# KiCad board 3ric.kicad_pcb (continued)
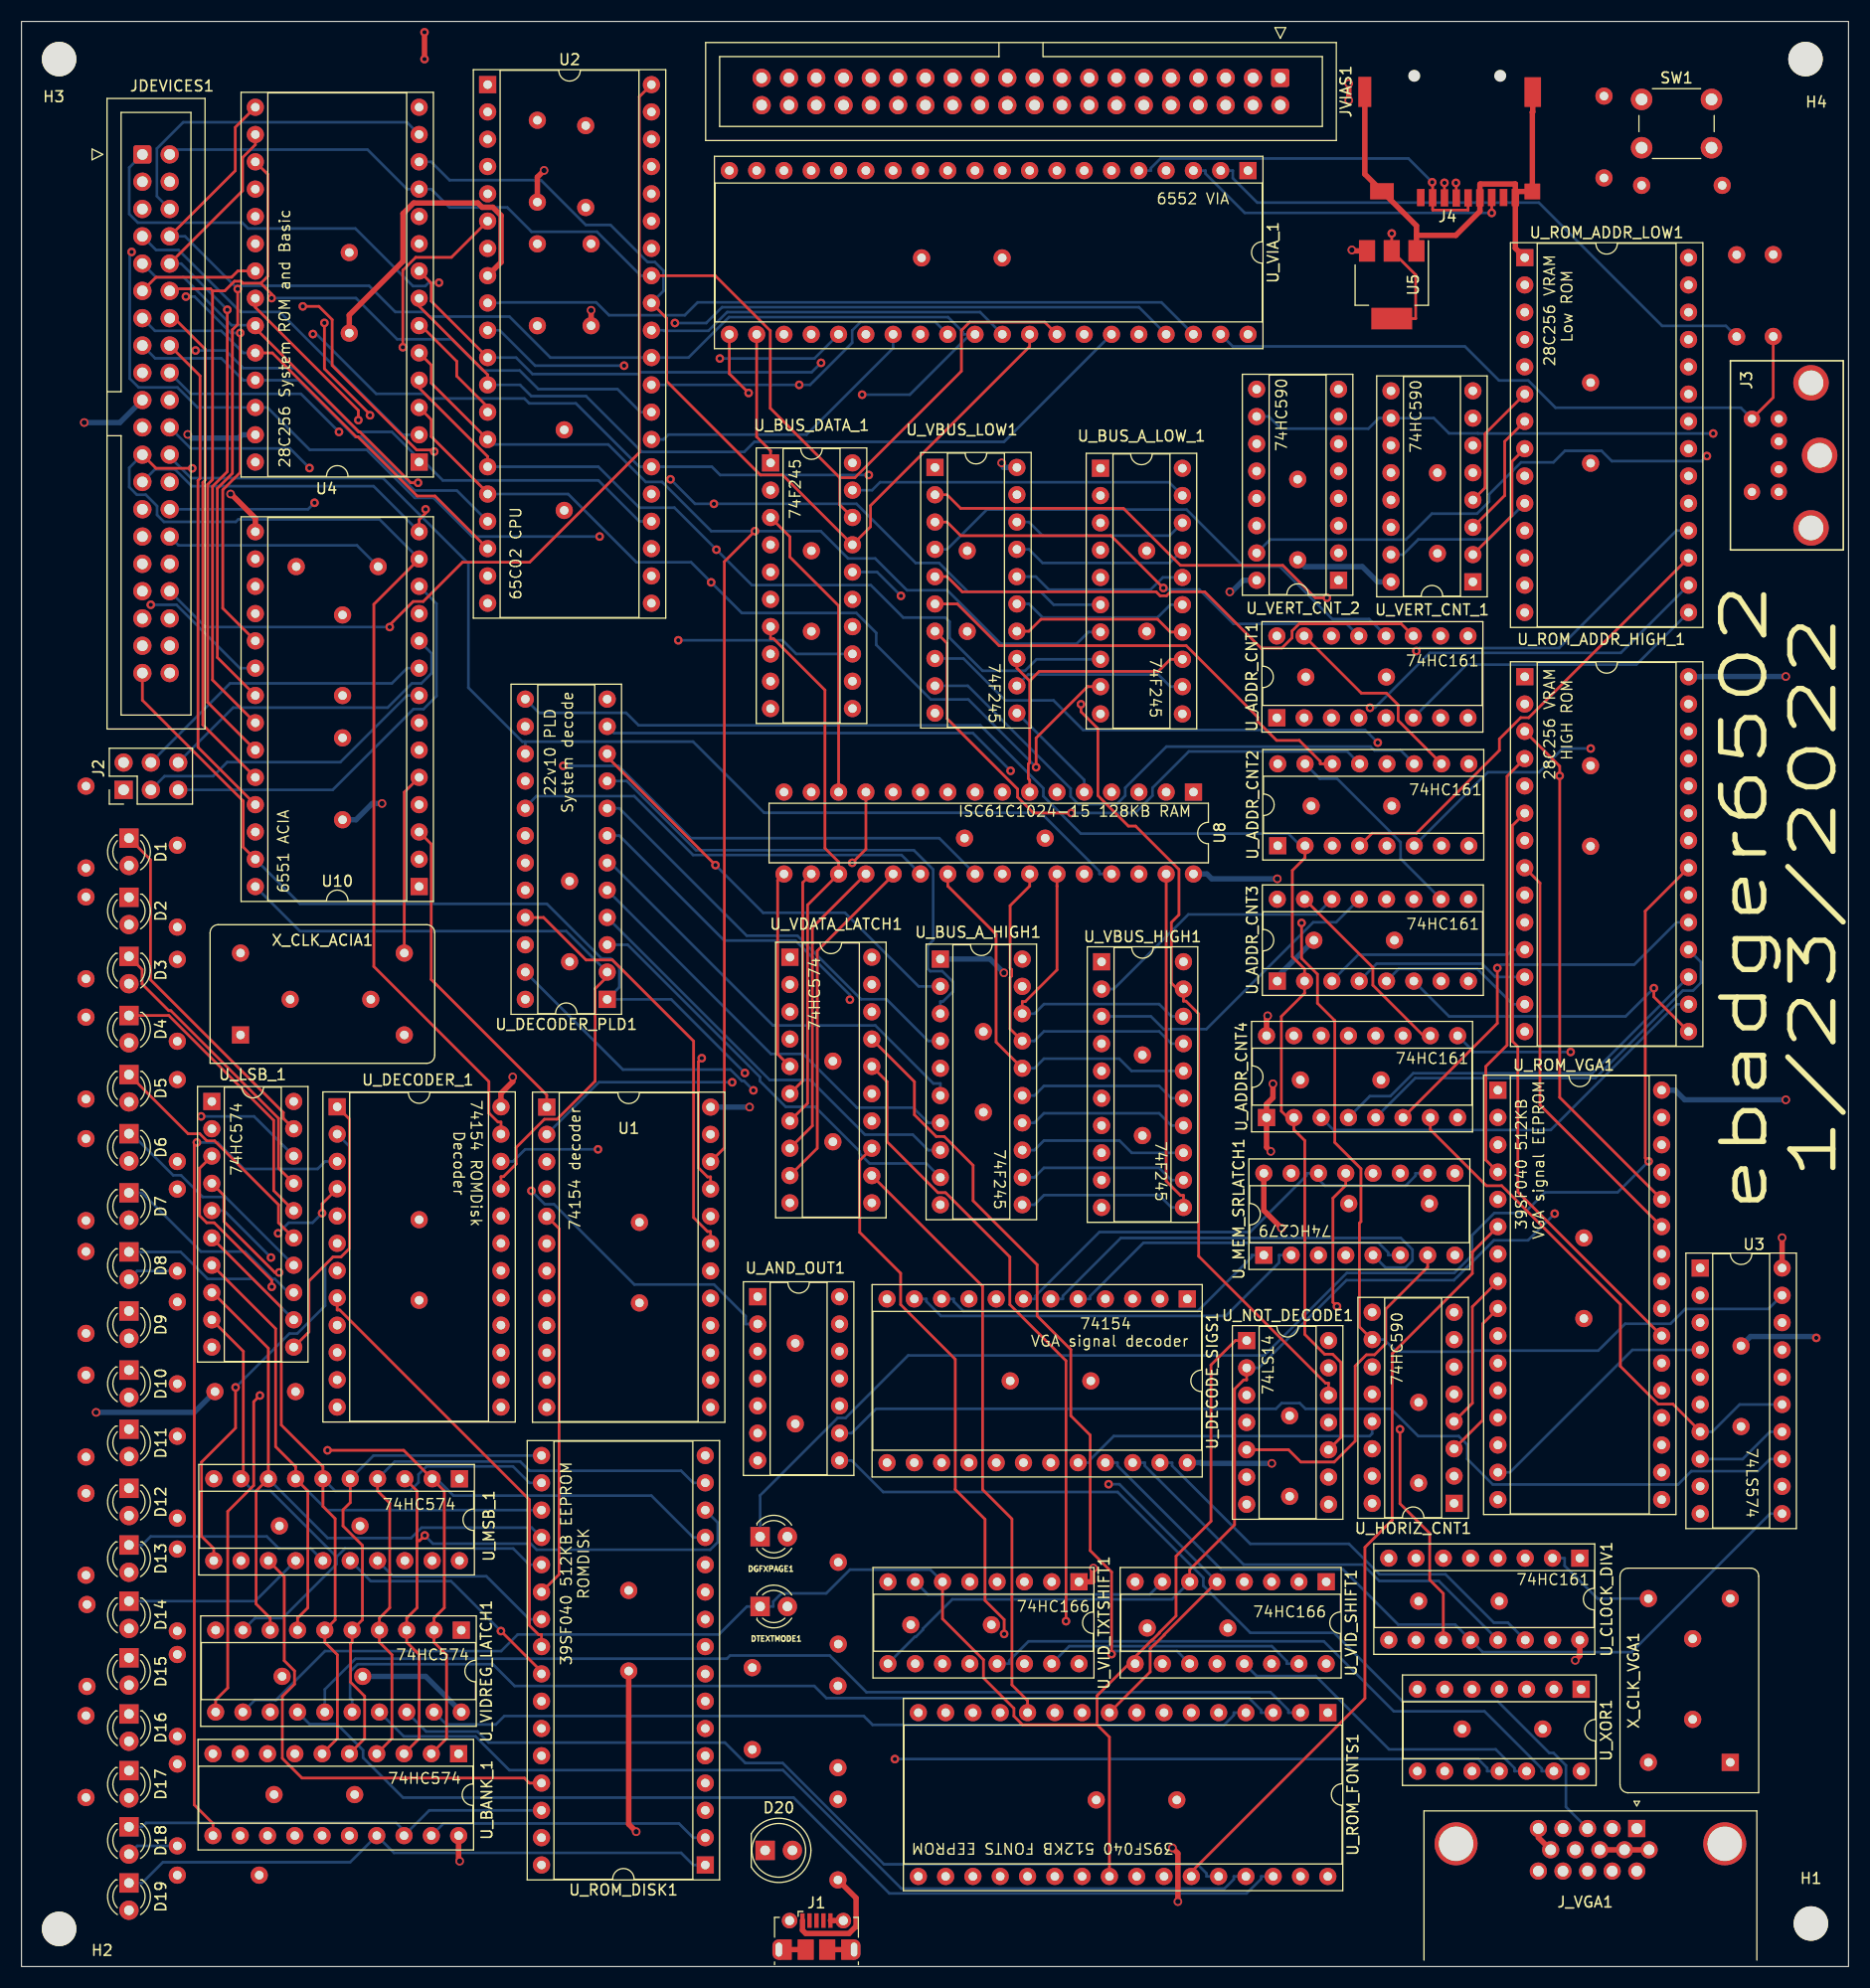
[diagram p0: board, top side]
## Routing (per net, layer and track width the routed paths; a pad name or vN(x,y) marks a point on that pad's centre or on a via; arc(x,y) is an arc through that point) (continued)
CA14: length 153.1
  In1.Cu w0.25: JDEVICES1.3 12.52,164.82 14.19,164.82 14.97,164.05 14.97,157.98 14.18,157.2 13.31,157.2 12.55,156.44 12.55,150.38 13.26,149.67 15.48,149.67 v2(16.19,150.38) ; U2.24 60.2,132.9 60.2,124.73 59.94,124.47 59.94,103.06 U_DECODER_PLD1.4
  Bottom w0.25: U_DECODER_PLD1.4 69.62,82.5 73.4,82.5 78.48,77.42 82.93,77.42 84.37,75.97 U_BUS_A_HIGH1.8 ; U4.1 37.27,140 ; 37.27,140 37.5,140 39.2,138.3 53.68,138.3 57.49,134.49 U2.24 ; 37.27,140 34.47,142.81 31.32,142.81 25.38,148.75 20.63,148.75 19,150.38 v2(16.19,150.38)
CA15: length 159.4
  In1.Cu w0.25: U_DECODER_PLD1.3 60.39,100.97 60.39,124.29 60.66,124.56 60.66,134.13 58.95,135.84 58.95,136.69 U2.25 60.13,137.03 61.11,138.01 61.11,138.75 58.89,140.98 50.93,140.98 46.98,144.93 46.98,147.78 43.76,151 43.02,151 38.74,155.27 38.74,156.59 v2(38.85,156.69)
  Bottom w0.25: JDEVICES1.1 10.03,167.41 10.03,163.08 10.83,162.28 20.54,162.28 21.09,161.73 31.07,161.73 36.42,156.38 37.58,156.38 37.89,156.69 v2(38.85,156.69) ; U_DECODER_PLD1.3 56.4,95.08 68.71,82.77 68.71,82.4 71.11,80 73.84,80 77.99,75.85 77.99,75.65 78.91,74.73 84.2,74.73 U_BUS_A_HIGH1.9
CD0: length 330.8
  Top w0.25: U_BUS_DATA_1.18 76.14,136.03 76.14,138.55 ; U_BANK_1.2 39.55,21.21 39.55,29.01 38.38,30.17 U_VIDREG_LATCH1.2 38.38,32.43 39.34,33.38 39.34,44.25 38.77,44.83 38.21,44.83 U_MSB_1.2 35.56,48.04 v2(28.48,48.04) ; 76.14,138.55 77.54,138.55 87.45,148.46 87.45,152.25 88.23,153.03 95.2,153.03 U_VIA_1.33 ; 76.14,138.55 69.67,145.01 69.67,152.22 64.55,157.34 U2.33
  In1.Cu w0.25: 17.39,121.64 17.39,85.03 18.89,83.53 18.89,79.14 U_LSB_1.2 15.9,77.96 13.33,75.39 13.33,70.19 16.58,66.93 16.58,59.66 17.34,58.91 18.09,58.91 21.12,55.88 21.12,53.17 21.91,52.37 24.14,52.37 v2(28.48,48.04) ; 17.39,121.64 10.78,121.64 9.07,123.35 9.07,168.54 10.35,169.81 12.6,169.81 JDEVICES1.2 ; 17.39,121.64 21.76,126.01 U10.18
  Bottom w0.25: JDEVICES1.2 14.23,169.08 32.2,169.08 35.87,165.4 U4.11 38.13,165.4 39.83,163.69 45.2,163.69 47.46,161.44 53.54,161.44 57.49,157.49 57.49,157.34 U2.33 ; U_MSB_1.2 38.62,45.39 40.19,43.82 58.61,43.82 62.5,39.93 U_ROM_DISK1.13
CD1: length 314.8
  Top w0.25: U2.32 60.03,153.39 60.03,147.52 68.75,138.8 70.83,138.8 U_BUS_DATA_1.17 79,133.99 79,135.95 93.81,150.76 U_VIA_1.32 ; 36.8,39.63 36.8,44.25 U_MSB_1.3 ; 36.8,39.63 36.8,33.38 35.84,32.43 U_VIDREG_LATCH1.3 35.84,30.17 37.01,29.01 37.01,21.21 U_BANK_1.3 ; 36.8,39.63 37.04,39.63 v2(37.52,40.11) ; U_LSB_1.3 16.57,74.28 16.57,69.88 17.24,69.21 17.93,69.21 23.28,63.86 v2(23.28,63.25) ; U10.19 18.73,126.39 18.73,137.41 20.35,139.03 v2(20.35,152.01)
  In1.Cu w0.25: U_LSB_1.3 19.34,77.05 19.34,83.72 17.87,85.2 17.87,119.47 U10.19 ; v2(15.3,155.4) 15.47,155.57 15.47,165.92 15.3,166.09 JDEVICES1.4 14.37,166.67 35.73,166.67 U4.12 ; U_MSB_1.3 34.53,44.25 32.68,44.25 31.86,45.07 31.86,46.32 27.63,50.54 27.63,53.09 23.17,57.56 23.17,63.14 v2(23.28,63.25)
  Bottom w0.25: v2(37.52,40.11) 38.29,39.35 47.38,39.35 47.94,38.79 64.08,38.79 64.79,39.49 64.79,41.31 U_ROM_DISK1.14 ; U4.12 38.13,167.94 39.83,166.24 48.34,166.24 52.51,162.07 54.81,162.07 58.26,158.62 58.94,158.62 59.74,157.81 59.74,155.93 U2.32 ; v2(15.3,155.4) 16.1,155.4 19.49,152.01 v2(20.35,152.01)
CD2: length 334.7
  Top w0.25: v2(23.98,64.59) 23.57,64.59 18.84,69.32 18.84,71.75 U_LSB_1.4 ; U_MSB_1.4 33.13,44.26 34.26,43.13 34.26,33.38 33.3,32.43 U_VIDREG_LATCH1.4 33.3,30.17 34.47,29.01 34.47,21.21 U_BANK_1.4
  In1.Cu w0.25: v2(12.03,126.72) 10.85,126.72 10.05,127.52 10.05,156.46 10.79,157.2 11.71,157.2 12.52,158 12.52,162.28 JDEVICES1.6 ; v2(81.83,127.55) 82.35,128.07 85.99,128.07 90.47,132.55 90.47,151.09 U_VIA_1.31 ; U10.20 18.32,117.38 18.32,98.46 21.52,95.26 21.52,76.69 U_LSB_1.4 ; v2(23.98,64.59) 23.98,63.58 24.01,63.55 24.01,57.35 28.03,53.33 29.71,53.33 33.13,49.91 U_MSB_1.4 ; U2.31 57.91,151.56 52.54,151.56 51.83,152.26 51.83,154.33 50.53,155.64 50.53,159.44 43.58,166.38 41.1,166.38 U4.13
  Bottom w0.25: U10.20 20.32,120.82 14.42,126.72 v2(12.03,126.72) ; U2.31 59.74,152.26 59.79,152.22 63.92,152.22 65.66,153.96 89.19,153.96 U_VIA_1.31 ; U_ROM_DISK1.15 62.5,45.01 61.37,46.14 47.26,46.14 46.41,46.99 34.73,46.99 U_MSB_1.4 ; v2(81.83,127.55) 79.61,129.76 U_BUS_DATA_1.16 ; U4.13 35.86,171.62 15.04,171.62 12.6,169.17 12.6,164.74 JDEVICES1.6
CD3: length 300.8
  Top w0.25: U4.15 19.9,171.16 19.9,167.12 JDEVICES1.8 ; U10.21 18.22,121.82 18.22,137.55 19.62,138.95 19.62,152.31 20.12,152.81 v2(20.12,156.11) ; U_MSB_1.5 30.59,43.17 29.92,42.5 29.92,40.99 31.72,39.19 31.72,32.26 U_VIDREG_LATCH1.5 30.77,30.17 30.62,30.03 30.62,26.46 31.93,25.15 31.93,21.21 U_BANK_1.5
  In1.Cu w0.25: v2(23.21,65.98) 23.21,64.86 22.47,64.11 22.47,54.85 28.56,48.76 28.78,48.76 30.59,46.95 U_MSB_1.5 ; U_LSB_1.5 22,74.63 22,95.41 18.77,98.65 18.77,115.29 U10.21 ; v2(78.22,146.27) 78.45,146.04 78.45,139.45 78.11,139.11 78.11,138.35 78.45,138.01 78.45,128.36 U_BUS_DATA_1.15
  Bottom w0.25: U_MSB_1.5 32.75,47.55 U_ROM_DISK1.17 ; 88.27,151.88 82.65,146.27 v2(78.22,146.27) ; 88.27,151.88 87.6,151.88 87.6,152.1 86.21,153.49 65.83,153.49 62.06,149.72 U2.30 49.22,149.72 45.41,153.53 37.97,153.53 37.53,153.97 34.78,153.97 32.35,156.41 20.42,156.41 v2(20.12,156.11) 15.21,161.01 JDEVICES1.8 ; 88.27,151.88 U_VIA_1.30 ; v2(23.21,65.98) 18.85,70.34 U_LSB_1.5
CD4: length 296.9
  Top w0.25: JDEVICES1.10 20.57,165.25 20.57,168.34 21.76,169.53 U4.16 ; 27.98,19.8 29.39,21.21 29.39,29.01 28.23,30.17 U_VIDREG_LATCH1.6 29.18,32.26 29.18,41.68 28.05,42.81 U_MSB_1.6 28.05,46.51 24.17,50.39 24.17,61.34 U_LSB_1.6 ; U10.22 17.77,119.73 17.77,137.73 19.15,139.11 v2(19.15,154.17)
  In1.Cu w0.25: v2(72.37,147.19) 72.37,129.64 U_BUS_DATA_1.14 ; U_LSB_1.6 22.45,72.54 22.45,95.6 19.22,98.83 19.22,113.2 U10.22 ; U4.16 22.89,169.35 37.24,169.35 41.73,164.87 41.73,162.46 43.04,161.16 43.77,161.16 51.3,153.62 51.3,152.15 56.27,147.19 U2.29
  Bottom w0.25: JDEVICES1.10 14.86,158.47 v2(19.15,154.17) ; U_VIA_1.29 85.04,153.03 78.07,153.03 77.3,152.25 77.3,151.11 73.37,147.19 v2(72.37,147.19) U2.29 ; U_ROM_DISK1.18 47.26,45.01 45.73,46.54 37.69,46.54 36.94,45.79 36.94,45.04 36.16,44.26 29.18,44.26 U_MSB_1.6
CD5: length 310.4
  Top w0.25: 22.26,156.64 23.27,155.63 v2(23.27,155.26) ; 22.26,156.64 20.61,156.64 20.42,156.83 19.82,156.83 18.92,155.93 17.77,155.93 ; 22.26,156.64 22.91,157.29 22.91,166.79 U4.17 ; 17.77,155.93 17.77,138.37 17.32,137.92 17.32,117.64 U10.23 ; 17.77,155.93 17.58,156.12 13.98,156.12 JDEVICES1.12 ; U_LSB_1.7 17.74,65.26 23.64,59.36 23.64,48.38 25.51,46.51 U_MSB_1.7 26.64,44.25 26.64,33.38 25.69,32.43 U_VIDREG_LATCH1.7
  In1.Cu w0.25: 25.44,19.8 24.54,20.69 24.54,25.08 25.69,26.22 U_VIDREG_LATCH1.7 ; v2(61.11,123.42) 61.11,136.38 61.56,136.83 61.56,141.7 U2.28 ; U_LSB_1.7 22.51,70.06 22.51,71.96 22.9,72.36 22.9,96.06 19.67,99.3 19.67,111.11 U10.23 ; U_BUS_DATA_1.13 80,124.83 80,151.4 79.98,151.42 79.98,153.48 80,153.5 82.03,153.5 U_VIA_1.28
  Bottom w0.25: U_BUS_DATA_1.13 72.1,122.14 70.83,123.42 v2(61.11,123.42) ; U2.28 57.6,144.65 55.46,146.79 48.09,146.79 46.36,148.52 42.93,148.52 40.02,151.43 34.95,151.43 31.13,155.26 v2(23.27,155.26) ; U_ROM_DISK1.19 28.43,42.47 U_MSB_1.7
CD6: length 298.1
  Top w0.25: JDEVICES1.14 14.21,153.39 17.1,150.5 17.1,138.33 16.87,138.11 16.87,115.55 U10.24 ; U_LSB_1.8 17.78,62.72 22.97,57.53 U_MSB_1.8 21.83,44.25 21.83,33.74 23.15,32.43 U_VIDREG_LATCH1.8
  In1.Cu w0.25: U2.27 57.43,143.29 57.43,144.93 43.74,158.62 42.88,158.62 37.22,164.27 21.76,164.27 ; U_LSB_1.8 21.66,66.67 21.66,67.7 22.96,68.99 22.96,71.78 23.36,72.18 23.36,96.59 20.12,99.84 20.12,109.02 U10.24 ; U4.18 21.76,164.27 ; 21.76,164.27 21.53,164.27 19.67,162.42 19.67,158.74 14.32,153.39 JDEVICES1.14 ; U_BUS_DATA_1.12 81.11,123.39 U_VIA_1.27 ; 22.9,19.8 22,20.69 22,29.03 23.15,30.17 U_VIDREG_LATCH1.8
  Bottom w0.25: U_ROM_DISK1.20 47.48,40.84 37.22,40.84 36.25,39.87 28.49,39.87 U_MSB_1.8 ; U_VIA_1.27 81.11,150.6 73.06,142.56 60.19,142.56 59.74,142.1 U2.27
CD7: length 289.9
  Top w0.25: JDEVICES1.16 16.61,148.02 16.61,138.48 16.42,138.29 16.42,113.46 U10.25 ; U_LSB_1.9 20.65,57.24 20.65,45.6 U_MSB_1.9
  In1.Cu w0.25: 20.12,157.18 20.79,156.51 23.05,156.51 27.11,152.44 v2(27.11,151.91) ; 20.12,157.18 JDEVICES1.16 ; 20.12,157.18 20.12,161.22 U4.19 ; U_BUS_DATA_1.11 76.16,118.23 76.16,122.65 76.92,123.42 77.68,123.42 78.95,124.69 78.95,138.69 v2(78.84,138.8) 78.95,138.91 78.95,150.38 78.56,150.76 U_VIA_1.26 ; U_LSB_1.9 21.57,64.04 21.57,65.93 22.11,66.48 22.11,67.51 23.67,69.07 23.67,71.86 23.8,71.98 23.8,71.99 23.86,72.05 23.86,96.74 20.59,100.01 20.59,106.95 U10.25 ; U_VIDREG_LATCH1.9 20.6,30.17 19.46,29.03 19.46,20.69 U_BANK_1.9
  Bottom w0.25: 29.32,38.12 30.1,38.9 45.75,38.9 47.26,37.39 U_ROM_DISK1.21 ; 29.32,38.12 23.17,44.26 21.55,44.26 U_MSB_1.9 ; 29.32,38.12 29.32,37.45 24.3,32.42 21.73,32.42 U_VIDREG_LATCH1.9 ; v2(27.11,151.91) 27.44,151.91 33,146.35 37.53,146.35 37.97,145.91 46.79,145.91 47.24,145.47 51.58,145.47 57.48,139.56 U2.26 64.24,139.56 65.01,138.8 v2(78.84,138.8)
CLK_KB: length 84.3
  Top w0.25: RKB1.2 163,146.01 J3.5
  In1.Cu w0.25: JVIAS1.4 115.25,172.55 115.25,155.55 U_VIA_1.39
  Bottom w0.25: U_VIA_1.39 112.71,150.76 134.31,150.76 137.48,147.59 140.2,147.59 142.74,145.06 159.98,145.06 J3.5
ClockBank: length 79.7
  Top w0.25: v2(16.32,76.69) 16.08,76.45 16.08,15.04 17.81,13.31 U_BANK_1.11
  Bottom w0.25: U_DECODER_1.3 28.25,74.92 27.55,74.22 20.71,74.22 18.24,76.69 v2(16.32,76.69)
ClockLSB: length 25.4
  Top w0.25: U_LSB_1.11 26.74,59.05 26.74,63.78 28.99,66.03 29.73,66.03 30.52,66.82 30.52,78.86 U_DECODER_1.1
ClockMSB: length 47.2
  Top w0.25: U_MSB_1.11 17.89,38.89 16.75,40.03 16.75,46.94 19.92,50.11 v2(19.92,53.89)
  Bottom w0.25: U_DECODER_1.2 30.5,76.33 30.5,66.83 29.7,66.03 28.97,66.03 28.25,65.31 28.25,61.49 25.66,58.9 24.93,58.9 v2(19.92,53.89)
ClockVidReg: length 54.8
  Top w0.25: U_DECODER_1.4 27.97,70.98 v2(27.97,70.11) ; v2(22.18,53.14) 21.6,52.56 21.6,44.76 19.19,42.35 19.19,25.93 18.06,24.81 U_VIDREG_LATCH1.11
  In1.Cu w0.25: v2(22.18,53.14) 22.02,53.3 22.02,65.74 22.56,66.29 22.56,66.92 v2(23.87,68.23)
  Bottom w0.25: v2(27.97,70.11) 27.08,69.21 24.86,69.21 v2(23.87,68.23)
DATA_KB: length 72.5
  In1.Cu w0.25: RKB2.1 162.26,149 162.26,143.18 J3.1 ; JVIAS1.6 111.59,172.75 U_VIA_1.2
  Bottom w0.25: RKB2.1 158.59,152.68 152.66,152.68 141.19,164.14 114.99,164.14 112.71,166.42 112.71,167.12 U_VIA_1.2
DISPLAY: length 97.4
  Top w0.25: U3.7 156.2,49.8 153.66,52.34 152.29,52.34 148.77,55.85 148.77,61.62 137.73,72.66 136.3,72.66 131.09,77.87 U_ADDR_CNT4.7
  In1.Cu w0.25: U_ADDR_CNT4.7 132.5,80.41 132.5,86.8 132.09,87.21 U_ADDR_CNT3.7 132.09,92.83 130.95,93.96 130.95,102 132.13,103.17 U_ADDR_CNT2.7 132.13,105.43 131,106.55 131,114.03 132.05,115.07 U_ADDR_CNT1.7 U_ADDR_CNT1.10
  Bottom w0.25: U3.15 159.87,52.3 157.33,49.76 U3.7
DISPLAY2: length 8.7
  Bottom w0.25: U3.8 160.15,47.22 162.69,49.76 U3.14
DISPLAY3: length 93.8
  Bottom w0.25: U_AND_OUT1.9 77.25,49.63 79.52,51.9 116.73,51.9 117.26,52.43 118.94,52.43 119.47,51.9 127.42,51.9 129.96,49.36 133.73,49.36 134.53,48.56 134.53,47.23 136.9,44.86 154.14,44.86 155.38,46.09 161.57,46.09 162.69,47.22 U3.13
FS0: length 77.3
  Bottom w0.25: U_VIDREG_LATCH1.19 39.54,22.52 44.13,22.52 44.92,23.31 78.37,23.31 79.19,22.49 111.9,22.49 112.8,23.39 112.8,23.62 U_ROM_FONTS1.4
FS1: length 82
  Bottom w0.25: U_VIDREG_LATCH1.18 37.66,21.87 42.44,21.87 43.46,20.84 65.44,20.84 67.35,18.94 70.83,18.94 80.25,9.51 109.42,9.51 110.26,8.67 110.26,8.38 U_ROM_FONTS1.28
FS2: length 88.1
  Bottom w0.25: U_VIDREG_LATCH1.17 35.57,21.41 42.25,21.41 45.39,18.27 70.85,18.27 81.87,7.25 111.93,7.25 112.8,8.12 112.8,8.38 U_ROM_FONTS1.29
FS3: length 92
  Bottom w0.25: U_VIDREG_LATCH1.16 30.77,24.81 30.57,25 30.57,27.43 31.27,28.13 43.86,28.13 45.89,26.1 73.77,26.1 74.89,24.98 114.22,24.98 115.34,23.86 115.34,23.62 U_ROM_FONTS1.3
FS4: length 96.5
  Bottom w0.25: U_ROM_FONTS1.2 117.88,23.62 117.88,23.86 116.22,25.53 78.62,25.53 75.21,28.94 65.93,28.94 65.64,28.64 31.08,28.64 28.23,25.79 U_VIDREG_LATCH1.15
FS5: length 99
  Bottom w0.25: U_ROM_FONTS1.30 115.34,8.38 115.34,8.15 113.99,6.8 80.76,6.8 71.84,15.72 35.5,15.72 31.78,19.43 31.78,20.13 29.36,22.55 26.81,22.55 U_VIDREG_LATCH1.14
GFXMODE: length 180.2
  Top w0.25: U_VID_SHIFT1.6 108.7,36.93 112.87,41.1 112.87,53.74 113.72,54.58 114,54.58 U_NOT_DECODE1.2
  In1.Cu w0.25: 156.26,113.58 153.7,113.58 142.88,102.75 142.88,70.28 v2(142.66,70.06) ; 156.26,113.58 156.26,111.01 155.12,109.86 ; 156.26,113.58 156.26,136.67 155.5,137.44 154.73,137.44 153.96,138.2 153.96,147.71 U_ROM_ADDR_LOW1.24
  Bottom w0.25: U_NOT_DECODE1.2 115.13,55.71 123.28,63.87 133.29,63.87 137,67.58 140.18,67.58 v2(142.66,70.06) ; U_VID_TXTSHIFT1.9 83.12,30.68 83.22,30.68 83.87,31.33 83.87,31.43 86.61,34.17 107.07,34.17 U_VID_SHIFT1.6
GFXPAGE: length 247.9
  Top w0.25: U_ROM_ADDR_HIGH_1.21 151.09,98.22 151.09,75.24 v2(151.4,74.93)
  In1.Cu w0.25: U_ROM_ADDR_LOW1.21 156.71,139.65 156.71,103.84 U_ROM_ADDR_HIGH_1.21 ; DGFXPAGE1.1 68.72,38.77 65.59,35.64 65.59,17.43 64.09,15.94 54.62,15.94 52.17,18.39 47.81,18.39 41.34,24.85 40.51,24.85 39.8,24.15 39.8,23.45 38.31,21.97 33.62,21.97 31.78,20.13 31.78,19.4 31.06,18.67 24.93,18.67 24.09,19.51 24.09,22.73 U_VIDREG_LATCH1.13
  Bottom w0.25: v2(151.4,74.93) 148.52,72.05 141.77,72.05 139.84,70.12 137.05,70.12 134.97,68.04 134.97,66.19 133.33,64.54 123.32,64.54 115.65,56.87 82.5,56.87 76.68,51.04 75.93,51.04 68.72,43.84 DGFXPAGE1.1
HQ0: length 24.9
  In1.Cu w0.25: U_ROM_VGA1.12 135.75,51.98 135.75,43.42 134.25,41.93 132.34,41.93 131.4,42.88 131.4,45.2 130.45,46.15 126.19,46.15 U_HORIZ_CNT1.15
HQ1: length 14.7
  In1.Cu w0.25: U_HORIZ_CNT1.1 135.3,45.1 135.3,52.17 135.8,52.67 135.8,54.57 U_ROM_VGA1.11
HQ2: length 14.7
  In1.Cu w0.25: U_ROM_VGA1.10 135.35,56.66 135.35,52.86 134.84,52.35 134.84,47.18 U_HORIZ_CNT1.2
HQ3: length 14.7
  Top w0.25: U_ROM_VGA1.9 135.96,59.82 135.96,50.84 U_HORIZ_CNT1.3
HQ4: length 14.7
  Top w0.25: U_HORIZ_CNT1.4 135,52.42 135,61.4 U_ROM_VGA1.8
HQ5: length 14.7
  In1.Cu w0.25: U_HORIZ_CNT1.5 134.43,54.39 134.43,63.36 U_ROM_VGA1.7
HRESET: length 148.7
  Top w0.25: v2(119.11,97.11) 119.11,93.82 120.59,92.34 120.59,89.64 122.2,88.03 122.2,76.68 124.63,74.25 124.63,69.32 124.49,69.18 124.49,59.53 U_HORIZ_CNT1.10
  In1.Cu w0.25: 120.73,135.48 116.07,135.48 U_VERT_CNT_2.13 113.78,137.77 113.78,140.55 U_VERT_CNT_2.11 ; 120.73,135.48 123.3,135.48 126.28,138.46 ; 120.73,135.48 120.73,120.36 123.13,117.96 123.13,107.22 120.56,104.65 120.56,98.56 v2(119.11,97.11) ; U_VERT_CNT_1.13 126.28,137.62 126.28,138.46 ; 126.28,138.46 126.28,139.51 127.2,140.42 127.43,140.42 U_VERT_CNT_1.11
  Bottom w0.25: U3.19 162.55,61.19 154.81,61.19 153.44,59.82 149.22,59.82 146.72,57.32 135.18,57.32 135.08,57.21 127.93,57.21 126.81,58.34 U_HORIZ_CNT1.10
HSYNC: length 157.3
  In1.Cu w0.25: U_ADDR_CNT4.9 133.5,86.75 133.5,97.06 134.63,98.19 U_ADDR_CNT3.9 134.63,100.45 133.52,101.55 133.52,109.65 134.67,110.79 U_ADDR_CNT2.9 134.67,113.05 133.45,114.27 133.45,121.55 134.59,122.69 U_ADDR_CNT1.9 ; v2(144.15,85.1) 144.15,67.37 144.85,66.67 145.85,66.67 149.19,70.01 153.95,70.01 161.13,62.84 161.13,60.07 U3.17 162.41,55.97 162.41,19.39 150.74,7.73 146.87,7.73 J_VGA1.13
  Bottom w0.25: U_ADDR_CNT4.9 135.15,85.1 v2(144.15,85.1)
LOADSHIFT: length 64.7
  In1.Cu w0.25: U_MEM_SRLATCH1.4 123.22,55.69 121.97,54.44 121.23,54.44 120.27,53.48 120.27,29.59 U_VID_SHIFT1.15
  Bottom w0.25: U_VID_SHIFT1.15 117.73,28.18 117.73,28.41 116.34,29.81 97.49,29.81 U_VID_TXTSHIFT1.15
N0C: length 18.6
  Top w0.25: U_ADDR_CNT2.10 128.09,115.96 128.09,117.41 127,118.5 124.67,118.5 U_ADDR_CNT1.15
N1C: length 19.1
  Bottom w0.25: U_ADDR_CNT2.15 120.81,110.54 122.41,110.54 128.32,104.63 128.32,103.09 U_ADDR_CNT3.10 ; U_ADDR_CNT2.15 119.51,112 119.43,112 U_ADDR_CNT2.15
N2C: length 17.9
  Top w0.25: U_ADDR_CNT3.15 125.74,92.97 125.74,91.32 130.44,86.62 U_ADDR_CNT4.10
PHI2: length 298.4
  Top w0.25: U10.27 20.63,104.17 20.63,108.45 11.25,117.84 JDEVICES1.39 ; v2(128.26,49.99) 128.26,43.07 131.03,40.31 131.03,35.98 132.3,34.71 U_CLOCK_DIV1.11
  In1.Cu w0.25: U_VIA_1.25 75.61,151.88 60,167.5 U2.37 ; U_HORIZ_CNT1.11 124.56,54.68 124.56,51.84 125.12,51.28 125.68,51.28 U_HORIZ_CNT1.13 126.41,49.99 v2(128.26,49.99) ; U_DECODE_SIGS1.20 97.47,46.88 88.26,56.1 72.26,56.1 70.87,57.48 70.87,69.98 66.98,73.88 66.98,81.43 67.31,81.77 v2(67.31,83.15) ; v2(64.98,149.64) 62.46,147.12 62.46,136.46 62.09,136.09 62.09,124.67 62.29,124.47 62.29,97.79 U_DECODER_PLD1.1
  Bottom w0.25: v2(64.98,149.64) 73.78,149.64 U_VIA_1.25 ; U10.27 25.91,98.89 48.89,98.89 53.97,93.81 54.82,93.81 55.62,93.01 55.62,91.12 U_DECODER_PLD1.1 60.46,90 v2(67.31,83.15) ; U_DECODE_SIGS1.20 99.44,46.88 99.44,47.17 101.63,49.36 125.44,49.36 125.68,49.59 U_HORIZ_CNT1.13
PHI4: length 75.8
  Bottom w0.25: U3.11 162.69,42.14 149.81,29.25 135.97,29.25 U_CLOCK_DIV1.12 133.4,31.82 128.1,31.82 122.97,36.95 111.63,36.95 101.98,46.6 101.98,46.88 100.86,46.88
PHI8: length 41
  Bottom w0.25: U_DECODE_SIGS1.22 104.52,46.88 104.52,46.6 113.72,37.4 124.81,37.4 126.34,35.88 131.88,35.88 U_CLOCK_DIV1.13
PHI16: length 76.1
  In1.Cu w0.25: 105.94,46.88 105.94,37.15 106.16,36.93 U_VID_SHIFT1.7
  Bottom w0.25: U_CLOCK_DIV1.14 138.3,32 137,32 132.5,36.5 126.35,36.5 123.52,39.33 114.33,39.33 107.06,46.6 107.06,46.88 105.94,46.88 ; U_VID_SHIFT1.7 104.98,34.62 84.34,34.62 U_VID_TXTSHIFT1.7
PHI_ACIA: length 19.5
  Top w0.25: U10.5 35.62,109.28 X_CLK_ACIA1.8
  In1.Cu w0.25: U10.5 U10.6
PHIVGA: length 10.9
  Bottom w0.25: U_CLOCK_DIV1.2 143.59,38 143.59,37.3 146.64,34.24 X_CLK_VGA1.8
PLD22: length 63.4
  In1.Cu w0.25: U_DECODER_PLD1.22 45.47,96.49 45.47,101.88 40.35,106.99 40.35,111.5 37.38,114.47 36.61,114.47 35.16,115.92 35.16,125 27.27,132.9 v2(27.27,136.21)
  Bottom w0.25: JDEVICES1.28 26.66,135.61 v2(27.27,136.21)
RA0: length 102.5
  Top w0.25: U_LSB_1.19 24.36,78.93 24.36,79.46 12,91.83 12,103 D1.1
  In1.Cu w0.25: U_LSB_1.19 25.33,77.35 29.03,73.65 31.23,73.65 36.51,68.37 38.56,68.37 41.17,70.98 49.32,70.98 51.34,68.96 51.34,50.52 63.34,38.52 63.62,38.52 U_ROM_DISK1.12
RA1: length 92.6
  In1.Cu w0.25: U_ROM_DISK1.11 63.62,35.98 63.34,35.98 46.29,53.03 46.29,57.07 44.95,58.41 42.59,58.41 29.89,71.11 29.05,71.11 25.33,74.83 U_LSB_1.18 ; v2(16.72,79.11) 16.52,79.31 16.52,93.98 15.27,95.22 13.81,95.22 10,99.04 D2.1
  Bottom w0.25: v2(16.72,79.11) 21.64,79.11 U_LSB_1.18
RA2: length 87.5
  Top w0.25: U_LSB_1.17 23.91,74.3 23.91,78.93 13.9,88.95 13.7,88.95 11.22,91.43 11.22,92.78 D3.1
  In1.Cu w0.25: U_LSB_1.17 24.21,71.76 24.21,69.72 25,68.92 26.11,68.92 28.88,66.16 29.63,66.16 30.61,65.18 30.61,64.44 45.18,49.87 47.69,49.87 49.97,47.59 49.97,45.97 U_ROM_DISK1.10
RA3: length 87.3
  Top w0.25: U_LSB_1.16 23.47,72.2 23.47,78.74 13.71,88.5 D4.1
  In1.Cu w0.25: U_LSB_1.16 27.1,68.57 29.7,68.57 35.39,62.87 35.39,61.06 43.12,53.33 45,53.33 50.55,47.78 50.55,46.26 63.24,33.58 63.99,33.58 64.78,32.79 64.78,31.81 63.86,30.9 63.62,30.9 U_ROM_DISK1.9
RA4: length 80.6
  Top w0.25: D5.1 15.51,77.49 16.59,77.49 17.24,76.84 17.97,76.84 23.92,70.89 23.92,69.21 U_LSB_1.15
  In1.Cu w0.25: U_ROM_DISK1.8 63.62,28.36 63.34,28.36 62.5,29.2 62.5,32.49 48.71,46.28 46.95,46.28 29.66,63.57 28.97,63.57 25.33,67.21 U_LSB_1.15
RA5: length 77.8
  In1.Cu w0.25: U_LSB_1.14 25.33,64.67 28.91,61.1 29.57,61.1 46.39,44.28 46.39,42.83 47.87,41.34 48.56,41.34 62.21,27.7 62.21,27 63.39,25.82 63.62,25.82 U_ROM_DISK1.7
  Bottom w0.25: U_LSB_1.14 18.98,71.61 16.87,71.61 14.85,73.63 14.11,73.63 10.24,77.5 D6.1
RA6: length 77.6
  In1.Cu w0.25: U_ROM_DISK1.6 62.5,22.15 62.5,23.13 49.5,36.13 48.04,36.13 42.35,41.83 42.35,45.86 29.94,58.26 29.2,58.26 25.33,62.13 U_LSB_1.13
  Bottom w0.25: D7.1 11.23,72 16.7,66.53 20.8,66.53 23.35,63.98 23.58,63.98 24.84,62.72 U_LSB_1.13
RA7: length 78.7
  In1.Cu w0.25: U_LSB_1.12 25.33,59.58 29.04,55.87 29.7,55.87 39.62,45.94 39.62,42.79 46.81,35.6 46.81,29.74 47.9,28.64 49.94,28.64 58.97,19.61 U_ROM_DISK1.5
  Bottom w0.25: D8.1 14.81,66.5 17.32,63.99 21.52,63.99 U_LSB_1.12
RA8: length 70.6
  In1.Cu w0.25: D9.1 8.85,61 8.77,60.92 8.77,54.45 8.95,54.27 10.59,54.27 13.96,50.91 21.66,50.91 26.78,45.79 26.78,45.06 28.92,42.92 31.88,42.92 34.49,40.3 34.49,37.29 35.16,36.62 37.06,36.62 U_MSB_1.19 39.36,38.92 41.23,38.92 45.91,34.24 45.91,25.47 48.1,23.28 48.39,23.28 U_ROM_DISK1.27
RA9: length 58.8
  In1.Cu w0.25: D10.1 13.58,51.92 23.18,51.92 29.3,45.8 29.3,45.08 30.87,43.5 31.94,43.5 35.67,39.77 U_MSB_1.18 37.29,39.39 41.4,39.39 46.36,34.43 46.36,27.59 48.14,25.82 48.39,25.82 U_ROM_DISK1.26
RA10: length 47.6
  In1.Cu w0.25: U_MSB_1.17 33.13,41.03 32,42.16 17.84,42.16 D11.1
  Bottom w0.25: U_ROM_DISK1.23 47.26,32.31 43.25,36.32 34.58,36.32 U_MSB_1.17
RA11: length 45.7
  Top w0.25: U_ROM_DISK1.25 48.39,27.44 v2(44.61,31.22)
  In1.Cu w0.25: D12.1 14.64,44.5 19.79,39.34 29.01,39.34 U_MSB_1.16
  Bottom w0.25: v2(44.61,31.22) 39.97,35.86 32.5,35.86 U_MSB_1.16
RA12: length 68.5
  In1.Cu w0.25: U_MSB_1.15 29.49,36.32 29.49,27.66 31.32,25.84 41.63,25.84 46.59,20.88 51.76,20.88 55.57,17.07 U_ROM_DISK1.4
  Bottom w0.25: U_MSB_1.15 26.92,38.89 23.95,38.89 22.83,40.02 12.02,40.02 11.23,39.22 D13.1
RA13: length 51.4
  In1.Cu w0.25: U_MSB_1.14 26.95,36.32 26.95,29.56 31.16,25.36 41.48,25.36 47.22,19.61 U_ROM_DISK1.28
  Bottom w0.25: U_MSB_1.14 21.74,34 D14.1
RA14: length 62
  Top w0.25: U_MSB_1.13 24.45,36.29 24.45,28.46 25.4,27.51 25.4,26.27 24.27,25.14 24.27,19.37 26.1,17.54 46.79,17.54 47.26,17.07 U_ROM_DISK1.29
  In1.Cu w0.25: U_MSB_1.13 22.97,37.21 20.41,34.65 16.33,34.65 10.41,28.72 D15.1
RA15: length 82.5
  In1.Cu w0.25: U_MSB_1.12 19.3,36.64 16.91,36.64 10.51,30.24 9.17,30.24 8.77,29.84 8.77,24.73 D16.1 10.77,23.5 14.14,20.13 15.84,20.13 22.66,13.31 38.61,13.31 39.55,12.37 39.55,11.65 40.19,11.02 41.27,11.02 43.66,13.4 61.37,13.4 62.5,14.53 U_ROM_DISK1.3
RA16: length 58.1
  In1.Cu w0.25: D17.1 10.15,18.22 17.36,11.02 36.97,11.02 U_BANK_1.19
  Bottom w0.25: U_ROM_DISK1.2 62.5,11.99 61.18,13.31 39.26,13.31 U_BANK_1.19
RA17: length 40.9
  Bottom w0.25: D18.1 11.23,13 11.59,13.37 34.87,13.37 36.05,12.18 U_BANK_1.18 37.95,14.53 U_ROM_DISK1.30
RA18: length 56.6
  Bottom w0.25: U_ROM_DISK1.1 62.5,9.45 61.37,10.58 34.66,10.58 U_BANK_1.17 30.58,9.71 13.16,9.71 11.23,7.78 D19.1
RGB: length 91.1
  In2.Cu w0.25: J_VGA1.1 J_VGA1.2 J_VGA1.3
  Bottom w0.25: U_AND_OUT1.8 77.25,47.09 80.18,44.16 101.99,44.16 109.97,36.18 109.97,35.43 114.34,31.05 122.12,31.05 128.5,24.67 137.36,24.67 142.16,19.88 142.55,19.88 143.71,18.71 143.71,14.85 J_VGA1.3
RXD: length 38.5
  Bottom w0.25: J2.5 28.96,109.5 36.47,117.01 37.4,117.01 38.61,118.22 38.61,126.83 U10.12
R~{W}: length 152.5
  Top w0.25: U_DECODER_1.21 44.61,73.51 44.85,73.51 46.03,74.69 46.03,76.22 48.66,78.85 49.84,78.85 53.37,82.39 53.37,90.99 54.5,92.12 U_DECODER_PLD1.2 ; U_BUS_DATA_1.1 69.7,141.05 68.41,142.35 U_VIA_1.22
  In1.Cu w0.25: U_VIA_1.22 67.27,153.02 62.01,153.02 ; 62.01,153.02 62.01,156.49 U2.34 ; 62.01,153.02 62.01,136.64 61.63,136.26 61.63,124.49 61.84,124.29 61.84,99.88 U_DECODER_PLD1.2
  Bottom w0.25: U10.28 25.91,96.35 50.69,96.35 U_DECODER_PLD1.2
SD_CS: length 6.3
  In1.Cu w0.25: JVIAS1.14 101.42,172.75 U_VIA_1.6
SD_MISO: length 37.3
  Top w0.25: v2(136.8,163.19) J4.7
  In1.Cu w0.25: JVIAS1.8 109.04,172.75 U_VIA_1.3
  Bottom w0.25: v2(136.8,163.19) 113.83,163.19 110.17,166.84 110.17,167.12 U_VIA_1.3
SD_MOSI: length 37.1
  Top w0.25: v2(132.4,165.99) J4.3
  In1.Cu w0.25: v2(132.4,165.99) 123.96,174.43 108.19,174.43 JVIAS1.10 106.5,172.75 U_VIA_1.4
SD_SCK: length 42.1
  Top w0.25: J4.5 134.6,163.46 134.59,163.45 131.33,163.45 131.3,163.48 J4.2 131.3,165.73 131.26,165.77 v2(131.26,166.04)
  In1.Cu w0.25: U_VIA_1.5 103.97,172.75 JVIAS1.12
  Bottom w0.25: U_VIA_1.5 105.09,167.12 105.09,167.36 105.98,168.25 129.05,168.25 v2(131.26,166.04)
SHIFTOUT: length 92
  In1.Cu w0.25: U_AND_OUT1.10 76.12,51.04 76.35,51.04 77.53,49.86 77.53,23.04 v2(81.27,19.31)
  Bottom w0.25: U_XOR1.11 136.38,18.18 136.38,18.46 135.54,19.31 v2(81.27,19.31)
SHIFTOUT_GFX: length 30.6
  Bottom w0.25: U_XOR1.12 138.92,18.18 138.92,18.46 137.18,20.21 127.24,20.21 120.42,27.03 114.93,27.03 U_VID_SHIFT1.13
SHIFTOUT_TXT: length 58
  Bottom w0.25: U_VID_TXTSHIFT1.13 91.91,28.18 91.91,28.46 93.7,30.26 121.18,30.26 127.69,23.75 136.13,23.75 141.46,18.41 141.46,18.18 U_XOR1.13
TD0: length 17.7
  In1.Cu w0.25: U_VID_TXTSHIFT1.2 93.48,33.42 90.26,33.42 89.12,32.29 89.12,31.21 89.65,30.68 89.65,27.4 91.07,25.99 U_ROM_FONTS1.13
TD1: length 16.2
  In1.Cu w0.25: U_VID_TXTSHIFT1.3 91.59,34.07 90.26,34.07 87.06,30.87 87.06,27.45 88.53,25.99 U_ROM_FONTS1.14
TD2: length 15.4
  In1.Cu w0.25: U_ROM_FONTS1.15 85.99,26.09 84.53,27.55 84.53,28.97 90.78,35.22 U_VID_TXTSHIFT1.4
TD3: length 30.6
  In1.Cu w0.25: U_VID_TXTSHIFT1.5 88.24,34.85 82,28.61 82,10.96 83.45,9.51 U_ROM_FONTS1.17
TD4: length 21
  In1.Cu w0.25: U_VID_TXTSHIFT1.10 84.86,26.48 84.86,10.64 85.99,9.51 U_ROM_FONTS1.18
TD5: length 21
  In1.Cu w0.25: U_VID_TXTSHIFT1.11 87.4,26.48 87.4,10.64 88.53,9.51 U_ROM_FONTS1.19